# Altium PCB 105358-3LA001-03_FP1.PcbDoc (part 2 of 2)
Units mm, origin at the board's own origin, x right, y up, seen from the top; angles counter-clockwise.
Board outline 33.6 x 14.2 mm, 6 copper layers (Component Side, Inner Layer 1, Ground Plane (GND), Power Plane (VCC), Inner Layer 2, Solder Side), stack 1.016 mm thick; 87 components, 54 nets, 303 pads, 116 vias.
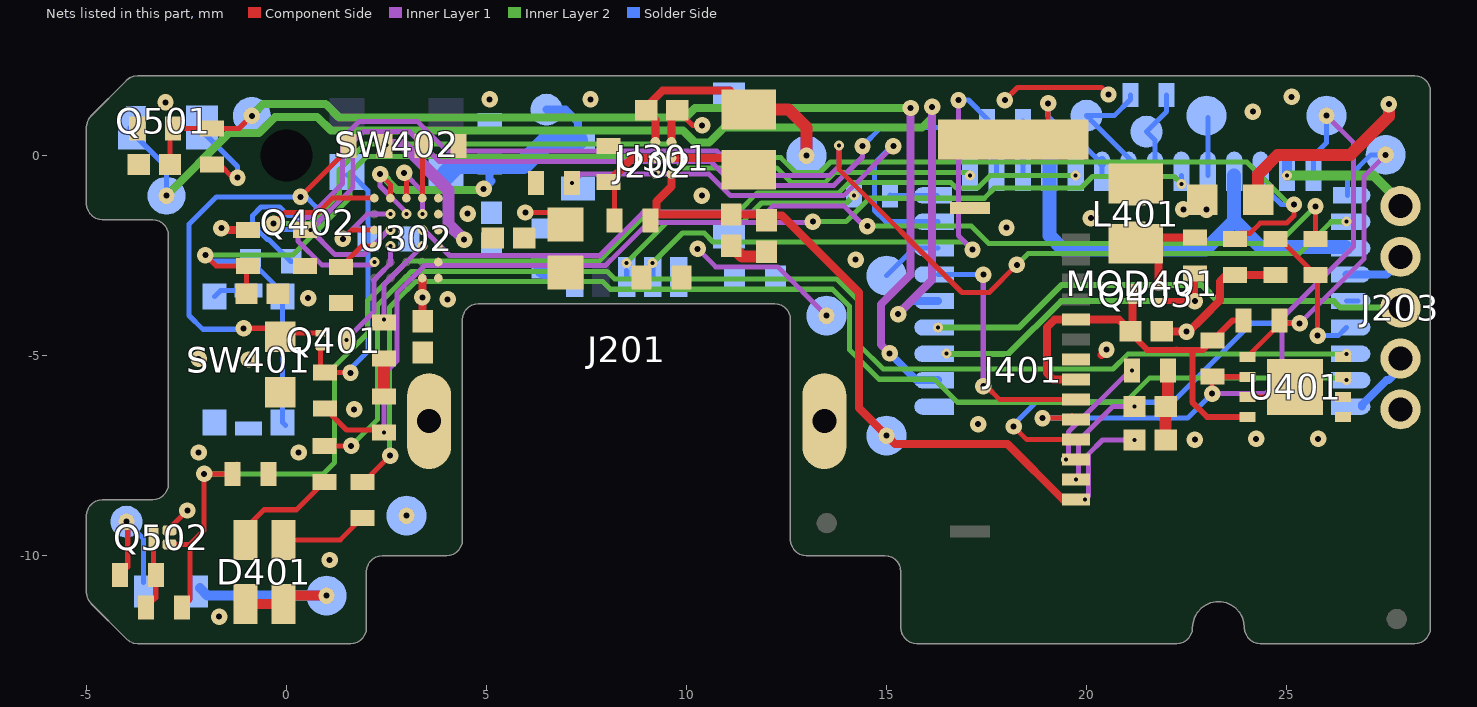
[diagram p6: the nets of this part, all layers, seen from the top]

## Part data (continued)
R504: library part "0402R-470 OHM-1%-0.063W", "RES SMD 470 OHM 1% 1/16W 0402", Power=0.063W, Resistance (Ohms)="470 Ohm", Tolerance=1%, Features="Moisture Resistant", GENERIC_OK=YES, PackageReference=0402
SW401: "SPST Tactile Switch", Contact Rating @ Voltage="0.05A @ 12VDC", Digi-Key Part Number=CKN10590CT-ND, Manufacturer=C&K, Manufacturer Part Number="PTS830GG140G SMTR LFS", Operating Force=450gf, Actuator Height off PCB, Vertical=1.40mm, ClassName=3D_EXPORT, ComponentLink1Description=Datasheet, ComponentLink1URL=https://www.ckswitches.com/media/1478/pts830.pdf, Mechanical Life="200,000 Cycles", Mounting Type="Surface Mount"
SW402: "SWITCH DETECTOR SPST-NO 10MA 5V", Contact Rating @ Voltage=5V, Digi-Key Part Number=P14266SCT-ND, Manufacturer="Panasonic Electronic Components", Operating Force=25gf, ClassName=3D_EXPORT, ComponentLink1Description=Datasheet, ComponentLink1URL=https://na.industrial.panasonic.com/sites/default/pidsa/files/downloads/files/panasonic_ese-16_new_product_introduction.pdf, Manufacturer Part Number=ESE-16J001, Mechanical Life="50,000 Cycles", Mounting Type="Surface Mount"
TP201 TP301 TP302 TP303 TP304 TP401 TP402 TP403 TP404 TP405 TP406 TP407 TP501 TP502 TP503: "Testing Poiny", ClassName=TP
U301: "Boost converter 28V", Current - Output / Channe="1.2A (Switch)", Digi-Key Part Number=296-44337-1-ND, Frequency=1.05MHz, Manufacturer="Texas Instruments", Voltage - Output="4.5 V ~ 28 V", Voltage - Supply (Max)=5.5V, Voltage - Supply (Min)=1.8V, ComponentLink1Description=Datasheet, ComponentLink1URL=http://www.ti.com/lit/ds/symlink/tps61046.pdf, Manufacturer Part Number=TPS61046YFFR, PackageReference="6-UFBGA, DSBGA", Supplier 1=Digi-Key, Supplier Part Number 1=296-44337-1-ND
U302: "Li-Ion linear battery charger", Battery Pack Voltag=4.2V, Charge Current - Max=650mA, Digi-Key Part Number=497-17241-1-ND, Manufacturer=STMicroelectronics, Manufacturer Part Number=STBC03JR, Voltage - Supply (Max)=5.4V, Battery Chemistry=Lithium-Ion/Polymer, ComponentLink1Description=Datasheet, ComponentLink1URL=http://www.st.com/content/ccc/resource/technical/document/datasheet/group3/05/ea/e8/4e/a7/a6/4a/c6/DM00338132/files/DM00338132.pdf/jcr:content/translations/en.DM00338132.pdf, PackageReference="30-UFBGA, FCBGA"
U401: library part M24256-DFMC6TG, "IC EEPROM 256KBIT 400KHZ 8UFDFPN", Clock Frequency=1MHz, Digi-Key Part Number=497-15742-1-ND, Manufacturer=STMicroelectronics, Voltage - Supply="1.7 V ~ 5.5 V", ComponentLink1Description=Dataseet, ComponentLink1URL=http://www.st.com/content/ccc/resource/technical/document/datasheet/b6/38/3e/3f/fe/a6/48/c2/CD00001891.pdf/files/CD00001891.pdf/jcr:content/translations/en.CD00001891.pdf, Manufacturer Part Number=M24256-DFMC6TG, Memory Forma=EEPROM, Memory Interface=I²C, Memory Type=Non-Volatile, PackageReference=8-UFDFPN, Write Cycle Time - Word, Page=5ms
FIDU201 FIDU202 FIDU203 FIDU204: ClassName=FIDU

## Free pads (board coordinates)
  round 0.3 hole 1.3 unplated: 1(0,0)

## Via types
v1: diameter 0.41, hole 0.15, Component Side to Solder Side, tented both sides, 78 vias
v2: diameter 0.25, hole 0.1, Component Side to Inner Layer 1, tented both sides, 14 vias
v3: diameter 0.25, hole 0.1, Inner Layer 2 to Solder Side, tented both sides, 12 vias
v4: diameter 0.25/0.25 (per signal layer), hole 0.1, Component Side to Inner Layer 1, 5 vias
v5: diameter 0.41, hole 0.15, Component Side to Solder Side, tented top, 3 vias
v6: diameter 0.25, hole 0.1, Component Side to Inner Layer 1, 2 vias
v7: diameter 0.41, hole 0.15, Component Side to Solder Side, 1 vias
v8: diameter 0.25/0.25 (per signal layer), hole 0.1, Component Side to Inner Layer 1, tented top, 1 vias

## Nets (pads, with @x,y where several pads share a name; then routed paths per layer and width w, separated by ;. In a path a pad name is that pad's centre, name@x,y a point inside that pad or via, vN(x,y) a via of type N, cw(c..) or ccw(c..) an arc to the next point about the centre after c; other vN are vias at no path point)
3V: C305.2 C306.2 D401.1 D401.4 D501.2 J203.1 L401.2 Q403.S R404.1 R412.1 TP405.1 U302.F4 | length 10.4
  Component Side w0.2: v1(-1.63,-1.81) -1.58,-1.86 R404.1@-0.96,-1.86 ; U302.F4@3.397,-3.061 v1(3.397,-3.54) 3.397,-4.13 C305.2@3.408,-4.141 ; L401.2@21.23,-1.949 L401.2@21.321,-2.04 ; Q403.S@21.805,-3.285 21.805,-2.524 L401.2@21.321,-2.04 ; R412.1@22.71,-2.04 L401.2@21.321,-2.04
  Component Side w0.25: D401.4@-1.025,-11.205 D401.1@-0.075,-11.205 0.13,-11 v1(1,-11) ; C306.2@22.893,-1.106 22.893,-1.243 v1(23,-1.35)
  Solder Side w0.25: D501.2@-2.165,-10.807 -1.972,-11 v1(1,-11)
  other v1: 20.11,-1.56 22.42,-1.34
5V_USB_IN_2: D201.2 J201.1 L201.1 TP201.1 | length 3.9
  Inner Layer 1 w0.127: v1(10.28,-2.33) 10.73,-2.78 12.28,-2.78 v1(13.5,-4)
9V: C302.2 C303.2 C403.1 J401.14 R302.1 TP301.1 U301.C2 | length 19.4
  Component Side w0.2: R302.1@9.1,-1.62 R302.1@9.251,-1.469 ; U301.C2@9.623,-0.457 9.623,-0.772 9.251,-1.144 R302.1@9.251,-1.469 ; C302.2@10.954,-1.634 C302.2@11.119,-1.469 ; v2(19.962,-8.6) 19.419,-8.6 18.029,-7.21 15.21,-7.21 v1(15,-7) 14.31,-6.31 14.31,-3.42 12.389,-1.499 11.997,-1.499 11.968,-1.469 C302.2@11.119,-1.469 ; R302.1@9.251,-1.469 C302.2@11.119,-1.469
  Inner Layer 1 w0.127: v2(19.962,-8.6) 20.055,-8.507 20.055,-7.455 20.4,-7.11 v2(21.2,-7.11)
AUX_3V_4: C405.2 J401.5 J401.8 Q403.D R410.1 R411.1 U401.8 | length 11.3
  Component Side w0.15: C405.2@21.1,-4.39 21.1,-4.436 21.516,-4.852 22.244,-4.852 ; 22.246,-4.849 22.244,-4.852 ; R410.1@23.921,-4.127 23.647,-4.127 R411.1@23.147,-4.626 22.921,-4.852 22.645,-4.852 ; U401.8@24.02,-6.529 23.014,-6.529 22.645,-6.161 22.645,-4.852 ; 22.244,-4.852 22.645,-4.852
  Component Side w0.2: J401.8@19.74,-5.6 19.18,-5.6 19.01,-5.43 19.01,-4.29 19.2,-4.1 20.81,-4.1 C405.2@21.1,-4.39 ; C405.2@21.155,-4.335 Q403.D@21.155,-3.46
AUX_CONTROL_4: MOD401.30 Q403.G R412.2 | length 8.4
  Component Side w0.15: Q403.G@21.805,-3.635 v1(22.71,-3.635) R412.2@22.71,-2.94
  Inner Layer 2 w0.15: v3(16.5,-4.94) 16.513,-4.953 18.047,-4.953 19.365,-3.635 v1(22.71,-3.635)
BLE_VDD_4: L401.1 MOD401.7 MOD401.13 MOD401.20 | length 11.2
  Solder Side w0.3: MOD401.7@26.497,-2.308 MOD401.7@26.501,-2.312
  Solder Side w0.35: MOD401.20@19.071,-0.102 MOD401.20@19.071,-0.495 19.071,-2.001 19.418,-2.348 22.971,-2.348 23.696,-1.623 24.356,-2.283 26.472,-2.283 MOD401.7@26.497,-2.308 ; 23.694,-1.621 MOD401.13@23.694,-0.495
  other v1: 24.16,1.1 25.13,1.47
CHARGER_SD: MOD401.12 Q402.G@0.335,-1.845 R304.1 U302.A1 | length 34.4
  Component Side w0.127: v5(-0.32,-1.7) -0.045,-1.425 0.794,-1.425 1.159,-1.061 U302.A1@2.197,-1.061 ; R304.1@23.716,-2.078 23.856,-1.939 24.091,-1.939 24.342,-1.688 25.002,-1.688 25.188,-1.502 v1(25.188,-1.221)
  Inner Layer 2 w0.127: v5(-0.32,-1.7) 0.586,-1.7 1.32,-0.966 1.32,-0.351 1.961,0.29 9.69,0.29 10.03,-0.05 12.36,-0.05 12.73,-0.42 13.34,-0.42 13.601,-0.159 24.009,-0.159 25.071,-1.221 v1(25.188,-1.221)
  Solder Side w0.127: v5@-0.32,-1.78 v5(-0.32,-1.7) -0.175,-1.845 Q402.G@0.335,-1.845 ; MOD401.12@24.354,-0.495 24.35,-0.5 24.621,-0.771 24.621,-0.968 24.874,-1.221 v1(25.188,-1.221)
DISP_IREF_4: J401.12 R413.1 | length 3.2
  Component Side w0.127: v2(19.484,-7.6) J401.12@19.74,-7.6
  Inner Layer 1 w0.127: v2(19.484,-7.6) 19.547,-7.537 19.547,-6.907 v2@21.092,-5.362
  other v2: 21.141,-5.372
DISP_VCOMH_4: C404.2 J401.13 | length 2.8
  Inner Layer 1 w0.127: v2(19.74,-8.1) 19.801,-8.038 19.801,-7.129 20.66,-6.27 v2(21.2,-6.27)
DOUT_DISP_RESET_4: J401.9 MOD401.27 | length 6.4
  Component Side w0.127: v1(17.42,-5.76) 17.49,-5.76 17.83,-6.1 J401.9@19.74,-6.1
  Inner Layer 1 w0.127: v1(17.42,-5.76) 17.42,-3.03 17.45,-3 v1(17.422,-2.972)
  Solder Side w0.127: MOD401.27@16.29,-2.972 v1(17.422,-2.972)
GND: C301.1 C302.1 C303.1 C304.2 C305.1 C306.1 C307.1 C308.1 C401.1 C402.1 C403.2 C404.1 C405.1 C501.1 D201.1 D402.1 D403.1 D404.1 J201.SH J202.1 J202.3 J203.2 J401.7 J401.SH L202.2 MOD401.1 MOD401.5 MOD401.32 Q402.S@0.335,-1.495 Q502.S@-2.925,-9.367 R301.2 R303.2 R304.2 R305.2 R307.2 R308.2 R309.1 R310.1 R408.1 R413.2 R504.2 R505.2 SW401.3 SW401.4 SW401.5 SW401.6 TP303.1 U301.A2 U302.A3 U302.B2 U302.B4 U302.C1 U401.1 U401.2 U401.3 U401.4 U401.7 U401.9 | length 30
  Component Side w0.127: Q502.S@-2.925,-9.367 -2.925,-9.316 v1(-2.479,-8.87) ; v1(1.41,-2.08) 1.629,-1.861 U302.C1@2.197,-1.861 ; v1(2.94,-0.43) 2.997,-0.487 U302.A3@2.997,-1.061 ; v1(5.97,-1.42) 6.674,-1.42 C304.2@6.977,-1.723 ; C301.1@9.623,0.977 C301.1@9.777,1.132 ; v1(10.39,0.76) 10.149,0.76 C301.1@9.777,1.132 ; v5(17.96,1.39) 18.276,1.706 20.374,1.706 v1(20.55,1.53) ; U401.7@24.02,-6.029 24.965,-6.029 U401.9@25.215,-5.78 ; C301.1@9.777,1.132 9.782,1.137 C301.1@9.772,1.137 C301.1@9.777,1.132
  Component Side w0.2: U301.A2@9.623,0.343 C301.1@9.623,0.977 ; v1@20.373,-4.977 v1(20.5,-4.85) ; C405.1@21.88,-4.39 21.89,-4.4 v1(22.5,-4.4) 22.552,-4.4 22.885,-4.067 22.889,-4.067 23.34,-3.616 23.34,-3.14 23.502,-2.978 R304.2@23.716,-2.978 R307.2@24.721,-2.978
  Component Side w0.3: R408.1@2.44,-6.02 2.443,-6.017 R310.1@2.443,-5.069 ; C302.1@11.119,-2.249 11.388,-2.519 C303.1@11.997,-2.519 ; C403.2@21.98,-7.11 C404.1@21.98,-6.27 22.04,-6.21 R413.2@22.04,-5.372 ; C306.1@24.29,-1.106 24.29,-0.47 24.78,0.02 26.6,0.02 27.56,0.98 v1(27.56,1.29)
  Inner Layer 1 w0.127: v1(1.41,-2.08) 2.029,-1.461 v4(2.597,-1.461) ; v1(2.94,-0.43) 3.397,-0.887 v4(3.397,-1.461)
  Solder Side w0.127: SW401.4@-1.796,-3.521 -1.646,-3.371 SW401.6@-0.946,-3.371 ; D402.1@0.12,-2.64 0.099,-2.64 -0.446,-2.095 -0.484,-2.095 -0.716,-1.864 -0.716,-1.805 -0.85,-1.67 -0.85,-1.5 -0.634,-1.284 -0.177,-1.284 0.034,-1.495 Q402.S@0.335,-1.495 Q402.S@0.284,-1.444 ; MOD401.5@26.501,-3.632 MOD401.5@26.791,-3.632
  Solder Side w0.2: MOD401.1@26.894,-6.274 26.894,-6.222 27.503,-5.613 27.555,-5.613 27.85,-5.318 J203.2@27.85,-5.07
  other v1: -1.681,-11.523 1.08,-10.108 3,-9 -2.196,-7.421 0.304,-7.421 22.71,-7.1 24.24,-7.08 25.79,-7.08 17.29,-6.71 1.69,-6.339 -0.946,-5.096 -2.196,-5.08 4.03,-3.59 0.54,-3.56 14.23,-2.6 18,-1.8 10.383,-0.999 -3.024,1.333 5.08,1.41 7.6,1.41
I2C_SCL_4: J401.10 MOD401.10 R411.2 TP406.1 U401.6 | length 17.8
  Component Side w0.127: v1(18.9,-6.56) 19.578,-6.56 19.639,-6.499 J401.10@19.74,-6.6 ; v1(23.14,-5.95) 23.14,-5.533 R411.2@23.147,-5.526 24.016,-5.526 U401.6@24.02,-5.529
  Inner Layer 1 w0.127: v1(23.14,-5.95) 24.474,-5.95 24.885,-5.539 24.885,-4.065 26.68,-2.27 26.68,0.32 v1(26,1)
  Solder Side w0.127: v1(18.9,-6.56) 22.53,-6.56 v1(23.14,-5.95) ; MOD401.10@25.675,-0.495 MOD401.10@25.675,-0.102 25.675,-0.002 26,0.323 v1(26,1)
I2C_SDA_4: J401.11 MOD401.9 R410.2 TP407.1 U401.5 | length 18.8
  Component Side w0.127: v1(18.18,-6.77) 18.51,-7.1 J401.11@19.74,-7.1 ; U401.5@24.02,-5.029 24.821,-4.228 R410.2@24.821,-4.2 ; v1(25.33,-4.19) 24.895,-4.19 24.885,-4.2 R410.2@24.821,-4.136 ; R410.2@24.821,-4.2 24.756,-4.2 R410.2@24.821,-4.136 ; R410.2@24.821,-4.2 R410.2@24.821,-4.136 ; R410.2@24.821,-4.136 24.906,-4.05 24.902,-4.046 R410.2@24.821,-4.127 R410.2@24.821,-4.136
  Inner Layer 1 w0.127: v1(25.33,-4.19) 26.934,-2.586 26.934,-0.526 v1(27.48,0.02)
  Solder Side w0.127: v1(18.18,-6.77) 18.18,-6.721 18.736,-6.164 22.148,-6.164 24.123,-4.19 v1(25.33,-4.19) ; MOD401.9@26.526,-0.991 26.526,-0.564 27.11,0.02 v1(27.48,0.02)
LED_A_4: MOD401.2 R401.1 | length 31
  Component Side w0.127: R401.1@1.896,-8.154 1.936,-8.154 v1(2.59,-7.5)
  Inner Layer 2 w0.127: v1(2.59,-7.5) 2.576,-7.486 2.576,-3.794 3.03,-3.34 3.038,-3.34 3.234,-3.144 7.905,-3.144 8.1,-3.339 13.65,-3.339 14.076,-3.765 14.076,-4.854 14.811,-5.59 16.199,-5.59 16.774,-6.164 20.97,-6.164 21.58,-5.554 26.442,-5.554 v3(26.501,-5.614)
LED_B_4: MOD401.3 R402.1 | length 30.8
  Component Side w0.127: R402.1@0.948,-7.254 v1(1.616,-7.254)
  Inner Layer 2 w0.127: v1(1.616,-7.254) 2.28,-6.59 2.28,-3.731 2.974,-3.037 2.982,-3.037 3.128,-2.89 8.01,-2.89 8.205,-3.085 13.755,-3.085 14.33,-3.66 14.33,-4.749 14.916,-5.336 20.661,-5.336 21.043,-4.953 v3(26.501,-4.953)
MOUNT_SWITCH_4: MOD401.15 R407.2 R408.2 | length 26.5
  Component Side w0.127: R407.2@0.96,-6.32 1.498,-6.858 2.378,-6.858 v2(2.44,-6.92)
  Inner Layer 1 w0.127: v2(2.44,-6.92) 2.44,-5.45 2.758,-5.132 2.758,-3.442 3.45,-2.75 7.97,-2.75 9.054,-1.666 13.144,-1.666 v1(13.16,-1.65)
  Inner Layer 2 w0.127: v1(13.16,-1.65) 13.99,-1.65 14.58,-1.06 14.585,-1.065 17.445,-1.065 17.7,-0.81 19.6,-0.81 19.601,-0.811 19.862,-0.811 20.153,-0.52 22.19,-0.52 v3(22.373,-0.703)
  Solder Side w0.127: v3(22.373,-0.703) MOD401.15@22.373,-0.495
NetC304_1: C304.1 L201.2 U302.E5 U302.F5
NetC308_2: C308.2 D403.2 J202.2 SW402.1 TP304.1 U302.A2 U302.A5 U302.B3 U302.B5 | length 10.6
  Component Side w0.127: v1(2.34,-0.46) 2.597,-0.717 U302.A2@2.597,-1.061
  Inner Layer 1 w0.127: v1(2.34,-0.46) 2.34,-0.757 2.997,-1.414 v4(2.997,-1.461)
  Inner Layer 2 w0.2: v1(2.34,-0.46) 2.34,-0.419 2.508,-0.587 2.508,-0.609 2.761,-0.862 4.898,-0.862 v1(4.93,-0.83)
  Solder Side w0.127: v1@2.34,-0.499 v1(2.34,-0.46)
  Solder Side w0.2: v1(4.93,-0.83) 5.08,-0.68 ; D403.2@5.08,-0.21 5.08,-0.68 ; 5.126,-0.634 5.08,-0.68 ; TP304.1@6.5,1.15 6.98,1.15 7.285,0.845 J202.2@7.285,0.38
  Solder Side w0.5: SW402.1@3.99,-0.48 4.26,-0.21 D403.2@5.08,-0.21 5.93,-0.21 6.52,0.38 J202.2@7.285,0.38
  other v1: 4.53,-1.452
NetC402_2: C402.2 Q401.G Q402.D@0.735,-1.67 R409.2 | length 11.8
  Component Side w0.127: v1(-1.07,-4.315) -0.364,-4.315 C402.2@-0.156,-4.523 -0.069,-4.435 Q401.G@0.855,-4.435 ; v5(0.35,-1.03) 1.55,0.17 R409.2@1.55,0.237
  Inner Layer 1 w0.127: v5@0.34,-1.03 v5(0.35,-1.03)
  Solder Side w0.127: v1(-1.07,-4.315) -1.095,-4.34 -2.09,-4.34 -2.435,-3.995 -2.435,-1.715 -1.75,-1.03 v5(0.35,-1.03) 0.49,-1.03 0.735,-1.275 Q402.D@0.735,-1.67 Q402.D@0.735,-1.91
NetC501_2: C501.2 MOD401.31 R501.2 R504.1 TP503.1 | length 28
  Component Side w0.127: C501.2@-2.912,-0.222 -2.912,0.6 R504.1@-2.834,0.678 R501.2@-1.858,0.678 -1.185,0.678 v1(-0.867,0.996)
  Inner Layer 1 w0.2: v1(15.08,-4.94) 14.858,-4.718 14.858,-3.722 15.602,-2.978 v1(15.602,1.192)
  Inner Layer 2 w0.2: v1(-0.867,0.996) -0.875,1.005 v1@-0.826,1.054 ; v1@-0.826,0.955 v1@-0.826,1.044 ; v1@-0.826,1.074 v1@-0.826,1.054 ; v1(15.602,1.192) 10.211,1.192 9.974,0.955 1.315,0.955 0.973,1.297 -0.573,1.297 v1@-0.826,1.044 ; v1@-0.826,1.044 v1@-0.826,1.054
  Solder Side w0.2: v1(15.08,-4.94) 15.754,-5.614 MOD401.31@15.896,-5.614 MOD401.31@16.29,-5.614
NetD401_2: D401.2 R401.2 | length 2.2
  Component Side w0.127: D401.2@-0.075,-9.605 1.345,-9.605 R401.2@1.896,-9.054
NetD401_3: D401.3 R402.2 | length 2.7
  Component Side w0.127: D401.3@-1.025,-9.605 -1.025,-9.313 -0.564,-8.852 0.25,-8.852 R402.2@0.948,-8.154
NetD404_2: D404.2 Q401.S R407.1 SW402.3 | length 6.7
  Component Side w0.127: Q401.S@0.855,-4.785 0.855,-5.315 R407.1@0.96,-5.42 1.59,-5.42 v1(1.6,-5.43)
  Solder Side w0.127: SW402.3@1.515,-0.48 1.644,-0.48 2.04,-0.876 D404.2@2.04,-2.08 2.04,-4.89 1.6,-5.33 v1(1.6,-5.43)
NetD501_1: D501.1 R502.1 TP502.1 | length 3.1
  Component Side w0.127: R502.1@-4.168,-10.479 -3.968,-10.279 v1@-3.968,-9.168
  Solder Side w0.127: v1(-4,-9.15) -3.575,-9.575 D501.1@-3.575,-10.667
NetJ201_2: J201.2 R405.1 | length 13.7
  Inner Layer 1 w0.127: v1(16.8,1.39) 16.8,-2 v1(17.15,-2.35)
  Inner Layer 2 w0.127: v3(9.15,-2.686) 9.901,-1.934 10.444,-1.934 10.665,-2.155 16.955,-2.155 v1(17.15,-2.35)
  Solder Side w0.127: v3(9.15,-2.686) 9.156,-2.692 J201.2@9.156,-3.056 ; v1(16.8,1.39) 17.05,1.39 17.54,0.9 R405.1@17.51,0.87
NetJ201_3: J201.3 R403.1 | length 6.6
  Inner Layer 2 w0.127: v3(8.496,-2.686) 9.516,-1.666 11.393,-1.666 11.877,-1.182 13.998,-1.182 v3(14.19,-0.99)
  Solder Side w0.127: J201.3@8.496,-2.874 8.506,-2.884 J201.3@8.506,-3.056
NetJ201_5: J201.5 L202.1 | length 0.9
  Solder Side w0.2: 6.973,-2.823 J201.5@7.206,-3.056
  Solder Side w0.5: L202.1@6.427,-2.823 6.973,-2.823
NetJ203_3: J203.3 MOD401.29 | length 12.3
  Inner Layer 2 w0.15: v3(16.29,-4.293) 18.315,-4.293 19.38,-3.228 22.879,-3.228 23.286,-3.635 26.185,-3.635 26.35,-3.8 J203.3@27.85,-3.8 J203.3@27.94,-3.8
NetJ203_4: J203.4 MOD401.6 | length 1.6
  Solder Side w0.2: MOD401.6@26.501,-2.972 MOD401.6@26.894,-2.972 27.498,-2.972 27.85,-2.62 J203.4@27.85,-2.53
NetJ203_5: J203.5 MOD401.11 | length 3.6
  Inner Layer 2 w0.25: v3(25.015,-0.495) 27.175,-0.495 27.85,-1.17 J203.5@27.85,-1.26
  Solder Side w0.25: v3(25.015,-0.495) MOD401.11@25.015,-0.102
NetJ204_1: J204.1 MOD401.18 | length 4.7
  Component Side w0.127: J204.1@18.182,0.061 18.991,0.061 19.1,0.17 19.04,0.23 v1(19.04,1.31)
  Solder Side w0.127: v1(19.04,1.31) 19.04,0.98 19.611,0.409 19.777,0.409 20.392,-0.205 MOD401.18@20.392,-0.495
  Solder Side w0.2: MOD401.18@20.392,-0.205 MOD401.18@20.392,-0.102
NetL301_2: L301.2 U301.B2 | length 2.1
  Component Side w0.2: U301.B2@9.623,-0.057 11.26,-0.057 L301.2@11.557,-0.355
NetMOD401_4: MOD401.4 R306.2 R307.1 | length 3.8
  Component Side w0.127: R307.1@24.721,-2.078 24.825,-2.078 R306.2@25.725,-2.978 25.78,-3.033 v1(25.78,-4.5) v1@25.725,-4.445
  Solder Side w0.127: v1(25.78,-4.5) 26.293,-4.5 MOD401.4@26.501,-4.293
NetMOD401_8: MOD401.8 U302.E1 | length 34.3
  Component Side w0.127: U302.E1@2.197,-2.661 v8(2.197,-2.657) ; v2(13.81,0.25) 13.81,-0.34 16.89,-3.42 17.57,-3.42 v1(18.26,-2.73)
  Inner Layer 1 w0.127: v8(2.197,-2.657) 2.125,-2.73 0.883,-2.73 0.284,-2.131 0.284,-1.729 0.469,-1.544 0.556,-1.544 1.405,-0.695 1.405,0.446 1.818,0.858 3.272,0.858 4.018,0.112 10.768,0.112 11.372,-0.492 13.579,-0.492 13.81,-0.262 v2(13.81,0.25)
  Inner Layer 2 w0.127: v1(18.26,-2.73) 18.54,-2.449 25.322,-2.449 26.12,-1.651 v3(26.501,-1.651)
NetMOD401_19: MOD401.19 Q502.G@-2.925,-9.717 R503.2 R505.1 | length 32
  Component Side w0.127: Q502.G@-2.925,-9.717 -2.413,-9.717 ; R503.2@-2.615,-11.3 -2.413,-11.098 -2.413,-9.717 ; R505.1@-1.235,-7.71 -1.347,-7.822 R505.1@-1.347,-7.954 v1(-2.06,-7.954) -2.06,-9.363 -2.413,-9.717
  Inner Layer 2 w0.127: v1(-2.06,-7.954) 0.924,-7.954 1.204,-7.673 1.204,-5.266 2.026,-4.445 2.026,-3.626 3.015,-2.636 7.821,-2.636 9.045,-1.412 11.288,-1.412 11.772,-0.928 13.806,-0.928 14.059,-0.674 14.321,-0.674 14.324,-0.671 16.609,-0.671 16.749,-0.811 17.279,-0.811 17.595,-0.495 v3(19.732,-0.495)
NetMOD401_22: MOD401.22 R305.1 U302.C2 | length 23.4
  Inner Layer 1 w0.127: v6(2.597,-1.861) 2.572,-1.886 2.526,-1.886 2.07,-2.342 2.067,-2.342 1.933,-2.476 1.216,-2.476 v2(0.6,-1.86) 1.659,-0.8 1.659,0.34 1.924,0.604 3.069,0.604 3.815,-0.142 10.602,-0.142 11.206,-0.746 13.684,-0.746 14.4,-0.031 v1(14.4,0.24)
  Solder Side w0.127: v1(14.4,0.24) 14.86,0.7 16.89,0.7 17.75,-0.16 MOD401.22@17.75,-0.495
NetMOD401_25: MOD401.25 R301.1 U301.C1 | length 12.4
  Inner Layer 1 w0.127: v2(7.141,-0.687) 7.37,-0.457 v2(9.223,-0.457) 10.558,-0.457 11.101,-1 13.93,-1 v1(15.17,0.24)
  Solder Side w0.127: v1(15.17,0.24) 15.13,0.24 14.7,-0.19 14.7,-1.369 14.982,-1.651 MOD401.25@15.896,-1.651 MOD401.25@16.29,-1.651
NetMOD401_26: MOD401.26 TP401.1 | length 1.6
  Solder Side w0.127: TP401.1@15,-3 15.688,-2.312 MOD401.26@15.896,-2.312 MOD401.26@16.29,-2.312
NetMOD401_28: MOD401.28 Q501.2 TP501.1 | length 29.5
  Inner Layer 1 w0.2: v1(15.29,-3.96) 16.14,-3.11 v1(16.14,1.22)
  Inner Layer 2 w0.2: v1(-3,-1) -1.436,0.564 -0.688,0.564 -0.282,0.97 0.768,0.97 1.11,0.628 9.911,0.628 10.211,0.328 10.569,0.328 10.941,0.7 15.89,0.7 16.14,0.95 v1(16.14,1.22)
  Solder Side w0.127: Q501.2@-3.91,0.7 -3.91,0.63 -3,-0.28 v1(-3,-1)
  Solder Side w0.2: v1(15.29,-3.96) 15.618,-3.632 MOD401.28@15.896,-3.632 MOD401.28@16.29,-3.632
NetQ401_D: Q401.D U302.D2 | length 2.8
  Inner Layer 1 w0.127: v2(1.505,-4.61) 1.505,-4.585 2.186,-3.904 2.186,-3.113 2.326,-2.973 2.328,-2.973 2.597,-2.704 v4(2.597,-2.261)
NetQ501_1: Q501.1 R501.1 | length 2.4
  Component Side w0.127: R501.1@-1.858,-0.222 -1.673,-0.222 -1.343,-0.551 v7(-1.225,-0.551)
  Solder Side w0.127: Q501.1@-2.11,0.7 -2.11,0.618 -1.225,-0.268 v7(-1.225,-0.551)
NetQ502_D: Q502.D@-3.325,-9.542 R502.2 R503.1 | length 1.9
  Component Side w0.127: R503.1@-3.515,-11.3 -3.268,-11.053 R502.2@-3.268,-10.479 -3.325,-10.422 Q502.D@-3.325,-9.542
NetR302_2: R302.2 R303.1 U301.B1 | length 2.4
  Component Side w0.127: R303.1@8.05,-0.66 8.2,-0.81 R302.2@8.2,-1.62
  Component Side w0.2: R303.1@8.05,-0.66 8.653,-0.057 U301.B1@9.223,-0.057
NetR306_1: R306.1 U302.C4 | length 24.7
  Component Side w0.127: R306.1@25.725,-2.078 v1(25.725,-1.265)
  Inner Layer 1 w0.127: v4(3.397,-1.861) 3.444,-1.861 4.079,-2.496 7.834,-2.496 8.918,-1.412 12.01,-1.412 12.168,-1.254 13.934,-1.254 14.44,-1.76 v1(14.52,-1.76)
  Inner Layer 2 w0.127: v1(14.52,-1.76) 17.12,-1.76 17.556,-2.195 24.795,-2.195 v1(25.725,-1.265)
NetR308_1: R308.1 U302.D1 | length 1.1
  Component Side w0.127: R308.1@1.36,-2.78 1.879,-2.261 U302.D1@2.197,-2.261
NetR309_2: R309.2 U302.A4 | length 1.3
  Component Side w0.127: U302.A4@3.397,-1.061 3.397,0.236 R309.2@3.399,0.237
NetR310_2: R310.2 U302.D4 | length 2.2
  Inner Layer 1 w0.127: v2(2.443,-4.094) 2.44,-4.091 2.44,-3.22 3.397,-2.263 v6(3.397,-2.261)
P2.1_4: MOD401.17 R406.1 TP402.1 | length 3.8
  Solder Side w0.127: MOD401.17@21.052,-0.205 MOD401.17@21.052,-0.102 ; R406.1@21.101,1.516 21.101,1.404 20.697,1 TP402.1@20,1 21.171,-0.171 MOD401.17@20.949,-0.393 ; MOD401.17@20.949,-0.393 20.949,-0.495 MOD401.17@21.052,-0.495 MOD401.17@20.949,-0.393
P3.0_4: MOD401.16 R406.2 TP403.1 | length 2.3
  Solder Side w0.127: MOD401.16@21.713,-0.495 MOD401.16@21.713,-0.102 21.713,0.387 TP403.1@21.5,0.6 22.001,1.101 R406.2@22.001,1.516
P3.4_4: MOD401.21 R405.2 | length 1.4
  Solder Side w0.127: MOD401.21@18.411,-0.495 MOD401.21@18.411,-0.102 R405.2@18.41,0.87
P3.5_4: MOD401.24 R403.2 | length 1.2
  Solder Side w0.127: R403.2@15.091,-0.991 MOD401.24@15.896,-0.991 MOD401.24@16.264,-0.991
P26_4: MOD401.14 TP404.1 | length 1.4
  Solder Side w0.127: MOD401.14@23.034,-0.495 MOD401.14@23.034,-0.102 TP404.1@23.034,0.954
RESET_SWITCH_4: C401.2 D402.2 MOD401.23 R404.2 SW401.1 SW401.2 | length 28.5
  Component Side w0.127: v1(-2.03,-2.485) -1.755,-2.76 R404.2@-0.96,-2.76 -1,-2.8 C401.2@-1,-3.45
  Inner Layer 2 w0.127: v1(-2.03,-2.485) 0.16,-2.485 1.584,-1.061 1.584,-0.804 1.584,-0.446 2.009,-0.021 9.642,-0.021 9.925,-0.304 12.255,-0.304 12.625,-0.674 13.456,-0.674 13.712,-0.417 17.012,-0.417 v3(17.09,-0.495)
  Solder Side w0.127: v1(-2.03,-2.485) -1.875,-2.64 D402.2@-0.9,-2.64 -0.882,-2.64 -0.096,-3.427 SW401.2@-0.096,-3.521 SW401.1@-0.096,-6.671 SW401.1@-0.027,-6.74
VCC_SYS: C301.2 C307.2 L301.1 R409.1 TP302.1 U301.A1 U302.C5 U302.D5 | length 9.7
  Component Side w0.2: U301.A1@9.223,0.343 9.223,0.906 C301.2@8.992,1.137 8.992,1.218 9.398,1.624 11.089,1.624 L301.1@11.557,1.155
  Component Side w0.3: L301.1@11.557,1.155 L301.1@12.015,1.155 ; L301.1@12.021,1.149 L301.1@12.015,1.155 ; v1(13,0) 13,0.71 12.555,1.155 L301.1@12.015,1.155
  Inner Layer 1 w0.3: v2(2.506,0.264) 2.928,0.264 4.048,-0.856 4.048,-1.708 v1(4.44,-2.1)
pads on no net: FIDU201.1 FIDU202.1 FIDU203.1 FIDU204.1 J201.4 J401. J401.1 J401.2 J401.3 J401.4 J401.6 Q402.D@0.735,-1.67 Q402.G@0.335,-1.87 Q402.S@0.335,-1.47 Q502.D@-3.325,-9.542 Q502.G@-2.925,-9.742 Q502.S@-2.925,-9.342 SW402.2 SW402.4 U302.B1 U302.C3 U302.D3 U302.E2 U302.E3 U302.E4 U302.F1 U302.F2 U302.F3

## Polygon pours and split planes (outlines as drawn)
GND on Solder Side "SS-GND_Right" (solid, remove dead copper, pour order 58): 28.3,-7.35 28.3,2 12.048,1.996 12.6,1.444 12.6,-7.35
GND on Solder Side "SS-GND_FOOT1" (solid, pour order 64): 10.1,1.84 12,1.84 12,-2.48 11.795,-2.65 10.1,-2.65
GND on Solder Side "SS-GND_IOSIDE" (solid, remove dead copper, pour order 56): -5,-9 -5,-8.838 -4.762,-8.6 -3.35,-8.6 -3.095,-8.542 -2.95,-8.311 -2.95,-1.838 -3.188,-1.6 -4.762,-1.6 -5,-1.362 -5,-1.2 -5.021,0.738 -3.758,2 7.099,2 7.497,2 13.695,2 13.698,-3.7 4.638,-3.7 4.4,-3.938 4.4,-9.762 4.162,-10 2.238,-10 2,-10.238 2,-11.962 1.802,-12.16 1.628,-12.2 -3.881,-12.2 -5,-11.096
5V_USB_IN_2 on Solder Side "SS-5V_USB_In2" (solid, pour order 32): 9.517,-2.462 9.517,-2.07 10.56,-2.07 10.57,-2.06 10.75,-2.24 10.75,-2.462 11.699,-2.462 11.699,-3.579 9.517,-3.579
BLE_VDD_4 on Solder Side "SS_BLE_VDD4" (solid, pour order 48): 25.35,1.82 25.35,0.65 25.08,0.65 24.15,0.65 23.93,0.43 23.93,-0.94 23.44,-0.94 23.44,0.66 23.44,1.82
NetC308_2 on Solder Side "SS-NetC08_2" (solid, pour order 34): 5.39,-1.703 4.249,-1.709 4.249,0.04 4.87,0.04 5.372,0.043 5.388,-1.51
GND on Component Side "CS-GND_FOOT1" (solid, pour order 66): 16.21,-0.78 16.21,-1.76 16.21,-1.79 18.08,-1.79 18.08,-0.78
GND on Component Side "Component Side-GND_Right" (solid, pour order 54): 28.3,2 23.18,2 12.687,2 12.6,1.532 12.6,-7.35 28.301,-7.35 28.3,-0.79
GND on Component Side "Component Side-GND_IOSIDE" (solid, remove dead copper, pour order 52): 9.55,2.003 9.66,1.893 9.66,0.6 10.21,0.6 10.211,0.216 9.42,0.216 9.42,2.003 2.49,2 2.49,-0.339 2.922,-0.763 4.163,-0.763 4.163,-3.25 4.119,-3.381 1.862,-3.381 1.659,-3.178 1.659,-0.655 2.311,0.027 2.311,2.002 -3.874,2 -5,0.958 -5,-1.346 -4.756,-1.599 -3.176,-1.599 -2.948,-1.827 -2.948,-8.2 -2.95,-8.745 -2.49,-9.206 -2.49,-9.349 -3.034,-9.349 -3.052,-9.367 -3.261,-9.158 -3.261,-8.604 -4.78,-8.604 -5.003,-8.827 -4.999,-11.19 -3.856,-12.2 1.732,-12.2 1.776,-12.156 1.804,-12.156 2.002,-11.957 2.002,-10.233 2.24,-9.995 4.165,-9.995 4.402,-9.757 4.402,-3.933 4.64,-3.696 13.695,-3.696 13.695,2.005
3V on Component Side "CS-3V_MCU_IN" (solid, pour order 50): 23.27,-2.36 23.27,-1.06 19.72,-1.06 19.72,-2.799 22.08,-2.799 22.08,-2.36
BLE_VDD_4 on Component Side "CS_BLE_VDD4" (solid, pour order 46): 21.92,0.199 22.374,0.65 25.35,0.65 25.35,1.82 21.945,1.82 20.54,0.415 20.54,-1.19 21.92,-1.19
VCC_SYS on Component Side "CS-VCC_SYS_CAP" (solid, pour order 40): 3.65,-2.45 3.65,-1.72 5.49,-1.72 5.54,-1.72 5.54,-2.45
NetC308_2 on Component Side "CS-NetC308_2" (solid, pour order 38): 3.65,-1.6 3.65,-0.9 4.22,-0.9 4.43,-0.69 4.43,-0.65 4.87,-0.65 4.87,-1.66 4.26,-1.66 4.2,-1.6
5V_USB_IN_2 on Component Side "CS-5V_IN_2" (solid, pour order 44): 9.517,-2.593 10.02,-2.09 10.94,-2.09 10.94,-3.55 9.517,-3.55
NetC304_1 on Component Side "CS-5V_in" (solid, pour order 42): 3.65,-2.5 3.65,-3.25 4.25,-3.25 4.35,-3.15 8.27,-3.15 8.48,-3.36 9.32,-3.36 9.32,-2.5
GND on Inner Layer 2 "IL2-GND_Right" (solid, remove dead copper, pour order 62): 20.7,-0.81 20.7,-0.92 20.71,-0.93 19.97,-0.93 19.97,-0.81 16.05,-0.81 16.05,0.88 16.05,2 -3.68,2 -3.904,1.979 -4.963,0.92 -5.001,0.711 -5.001,0.319 -5.001,-1.2 -5,-1.362 -4.762,-1.6 -3.188,-1.6 -2.95,-1.838 -2.95,-8.362 -3.188,-8.6 -4.762,-8.6 -5,-8.838 -5,-9 -5,-11.081 -3.959,-12.134 -3.784,-12.2 1.761,-12.2 1.999,-11.962 1.999,-10.238 2.237,-10 4.161,-10 4.399,-9.762 4.399,-3.938 4.637,-3.7 12.361,-3.7 12.599,-3.938 12.599,-7.35 28.299,-7.35 28.299,2 16.09,2 16.09,0.803 16.193,0.7 17.94,0.7 18.499,1.26 19.443,1.26 20.003,0.7 20.7,0.7
GND on Inner Layer 1 "IL1-GND_Right" (solid, remove dead copper, pour order 60): -4.991,-8.83 -4.77,-8.6 -3.19,-8.6 -2.95,-8.36 -2.95,-1.83 -3.18,-1.6 -4.76,-1.6 -5,-1.36 -4.998,-1.06 -4.999,0.984 -3.857,2 16.05,2 16.05,-0.54 16.16,-0.65 20.27,-0.65 20.27,0.7 20,0.7 19.441,1.258 18.499,1.259 17.94,0.7 16.09,0.7 16.09,2 28.3,2 28.3,-7.35 12.6,-7.35 12.6,-3.938 12.362,-3.7 4.638,-3.7 4.4,-3.938 4.4,-9.762 4.162,-10 2.238,-10 2,-10.238 2,-11.962 1.762,-12.2 -3.148,-12.2 -3.857,-12.2 -4.99,-11.187
GND on Ground Plane (GND) (split plane): 252 vertices, not listed, extent -4.489,-11.689 28.09,1.49
VCC_SYS on Power Plane (VCC) (split plane): 13.548,-0.548 12.672,-0.548 11.952,0.172 11.919,0.194 11.88,0.202 7.37,0.202 7.331,0.194 7.298,0.172 5.228,-1.898 4.708,-2.418 3.992,-2.418 3.992,-1.592 6.152,0.568 13.548,0.568
3V on Power Plane (VCC) (split plane): 252 vertices, not listed, extent -4.489,-11.689 28.09,1.49

## Other copper
Component Side:
  text ".Layer_Name" at -18.006,-17.22 h1
Inner Layer 1:
  text ".Layer_Name" at -18.006,-21.22 h1
Inner Layer 2:
  text ".Layer_Name" at -0.006,-17.22 h1
Solder Side:
  text ".Layer_Name" at 10.491,-21.22 h1
Ground Plane (GND) (plane layer: these items are gaps in the copper):
  rectangle: 16.01,-0.905 20.111,0.907
  rectangle: 21.89,-11.21 24.71,-10.1
  rectangle: 24.211,-12.025 28.187,-7.37
  rectangle: 12.859,-9.911 24.639,-7.37
  rectangle: 15.219,-12.067 22.351,-9.663
  rectangle: 21.834,-10.922 24.92,-9.337
  text ".Layer_Name" at -18.006,-25.22 h1
Power Plane (VCC) (plane layer: these items are gaps in the copper):
  rectangle: 21.86,-11.24 24.72,-9.95
  rectangle: 24.134,-11.99 28.206,-7.37
  rectangle: 13.09,-9.99 24.301,-7.37
  rectangle: 15.11,-11.973 22.481,-9.801
  rectangle: 21.045,-10.823 24.631,-9.712
  lines w0.2: 3.89,-2.52 3.89,-1.55 6.11,0.67 9.49,0.67 13.65,0.67 13.65,-0.65 12.63,-0.65 11.88,0.1 7.37,0.1 5.3,-1.97 4.75,-2.52 3.89,-2.52
  text ".Layer_Name" at -18.006,-29.22 h1

## Silkscreen, mask and mechanical layers (free items; w line width, h text height)
Top Overlay:
  text ".Layer_Name" at 0.044,-25.087 h1
Bottom Overlay:
  text ".Layer_Name" at 10.491,-29.087 h1
Top Paste:
  text ".Layer_Name" at 17.994,-17.22 h1
Bottom Paste:
  text ".Layer_Name" at 17.994,-21.22 h1
Top Solder:
  lines w0.25: 19.985,0.951 20.117,0.951 20.117,0.83
  text ".Layer_Name" at 17.994,-25.22 h1
Bottom Solder:
  lines w0.2: 13.914,-1.285 13.914,-0.664 ; 17.807,1.267 17.93,1.39 17.96,1.39
  text "105358- / 01-03" at 1.572,-9.653 h1
  text ".Layer_Name" at 17.994,-29.22 h1
Drill Guide:
  text ".Layer_Name" at 35.994,-29.22 h1
Mechanical 1:
  drawing of 158 lines, arcs and shapes, not listed
  text ".Layer_Name" at 35.994,-17.22 h1
Mechanical 9:
  circle w0.01: c-0.552,-10.462 r2
  circle w0.01: c-0.946,-5.096 r2.2
  circle w0.01: c0,0 r1.25
BRD_Outline:
  drawing of 158 lines, arcs and shapes, not listed
  text ".Layer_Name" at 35.994,-21.22 h1
Drill Drawing:
  text ".Layer_Name" at 35.994,-25.22 h1
Non-printed:
  text "105358-3LA001-03" at 15.329,-10.567 h0.8

## Text inside footprints (layer, text, board x,y; h text height)
MOD401: Non-printed "BLE Module" at 27.494,-11.4 h1 r270; Non-printed "CYBLE-014008-00" at 24.837,-4.572 h1; Non-printed "P31" at 17.444,0.475 h1 r270; Non-printed "VAN" at 18.769,0.475 h1 r270; Non-printed "P22" at 20.094,0.475 h1 r270; Non-printed "P30" at 21.394,0.475 h1 r270; Non-printed "P26" at 22.719,0.45 h1 r270; Non-printed "P12" at 24.056,0.543 h1 r270; Non-printed "P05" at 25.369,0.45 h1 r270; Non-printed "P37" at 16.785,0.457 h1 r270; Non-printed "P34" at 18.106,0.457 h1 r270; Non-printed "P23" at 19.427,0.457 h1 r270; Non-printed "P21" at 20.747,0.457 h1 r270; Non-printed "P13" at 22.068,0.457 h1 r270; Non-printed "VDR" at 23.389,0.457 h1 r270; Non-printed "P06" at 24.71,0.457 h1 r270; Non-printed "P15" at 28.694,-4.55 h1; Non-printed "P07" at 28.694,-3.2 h1; Non-printed "P14" at 28.769,-1.925 h1; Non-printed "P10" at 28.723,-5.233 h1; Non-printed "P01" at 28.698,-3.912 h1; Non-printed "VDD" at 29.028,-2.591 h1; Non-printed "P04" at 28.723,-1.27 h1; Non-printed "P11" at 28.719,-5.875 h1; Non-printed "GND" at 29.079,-6.579 h1; Non-printed "GND" at 15.337,-6.561 h1; Non-printed "P35" at 15.337,-1.278 h1; Non-printed "VREF" at 15.337,-2.599 h1; Non-printed "P36" at 15.337,-3.919 h1; Non-printed "P24" at 15.337,-5.24 h1; Non-printed "XRES" at 15.369,-4.6 h1; Non-printed "P32" at 15.319,-3.225 h1; Non-printed "P33" at 15.344,-1.925 h1; Non-printed "P25" at 15.319,-5.925 h1